# Altium PCB PicoBOB_DLX.pcbdoc (part 1 of 4)
Units mil, origin at the board's own origin, x right, y up, seen from the top; angles counter-clockwise.
Board outline 2219.49 x 2559.06 mil, 4 copper layers (Top Layer, G1_GND, G2_PWR, Bottom Layer), stack 23.756 mil thick; 146 components, 117 nets, 2972 pads, 241 vias.
Unrouted connection lines stored in the file: 14.
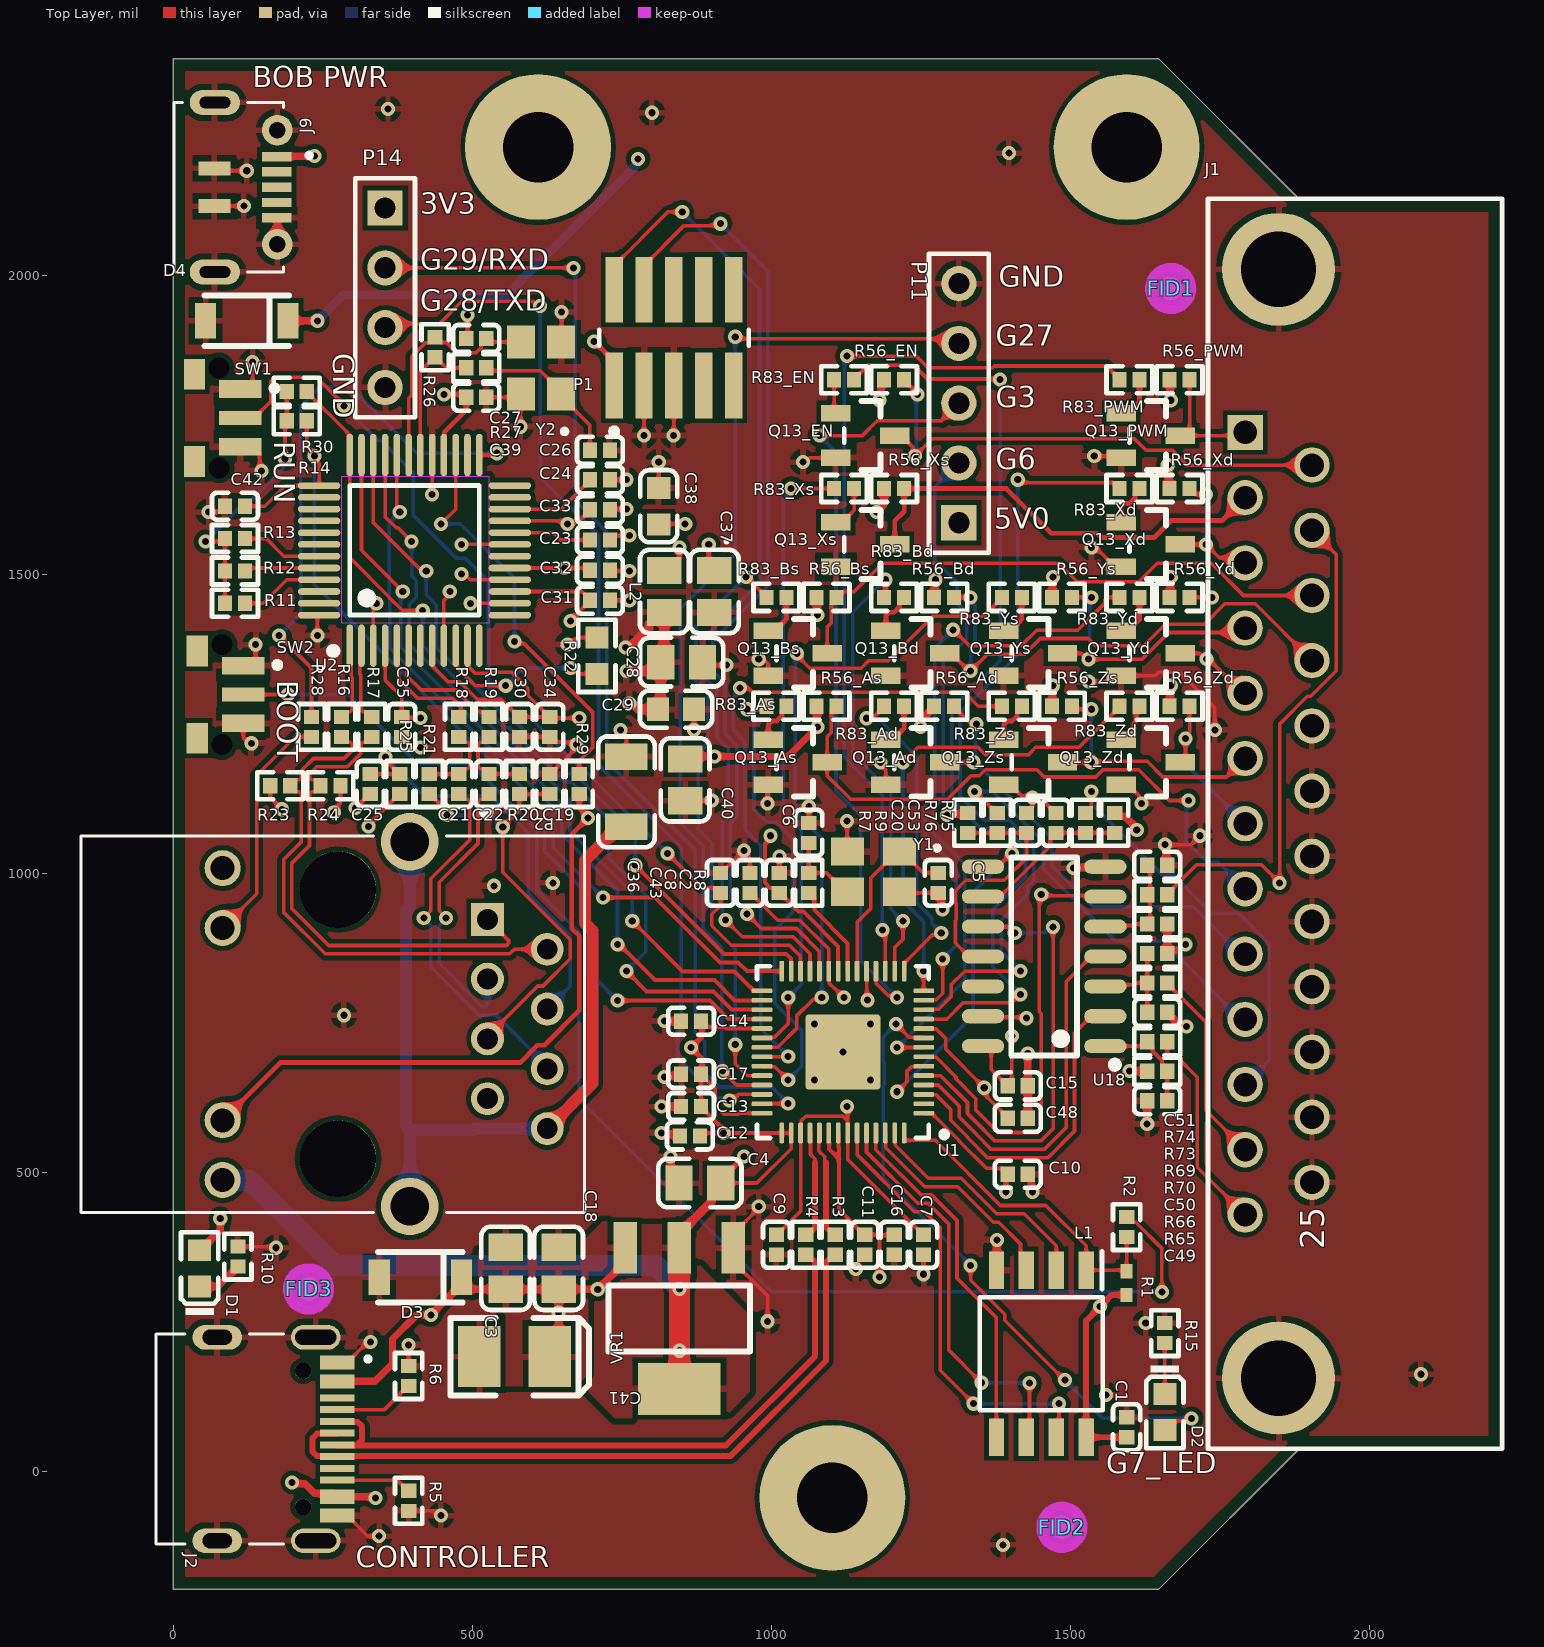
[diagram p0: Top Layer view]
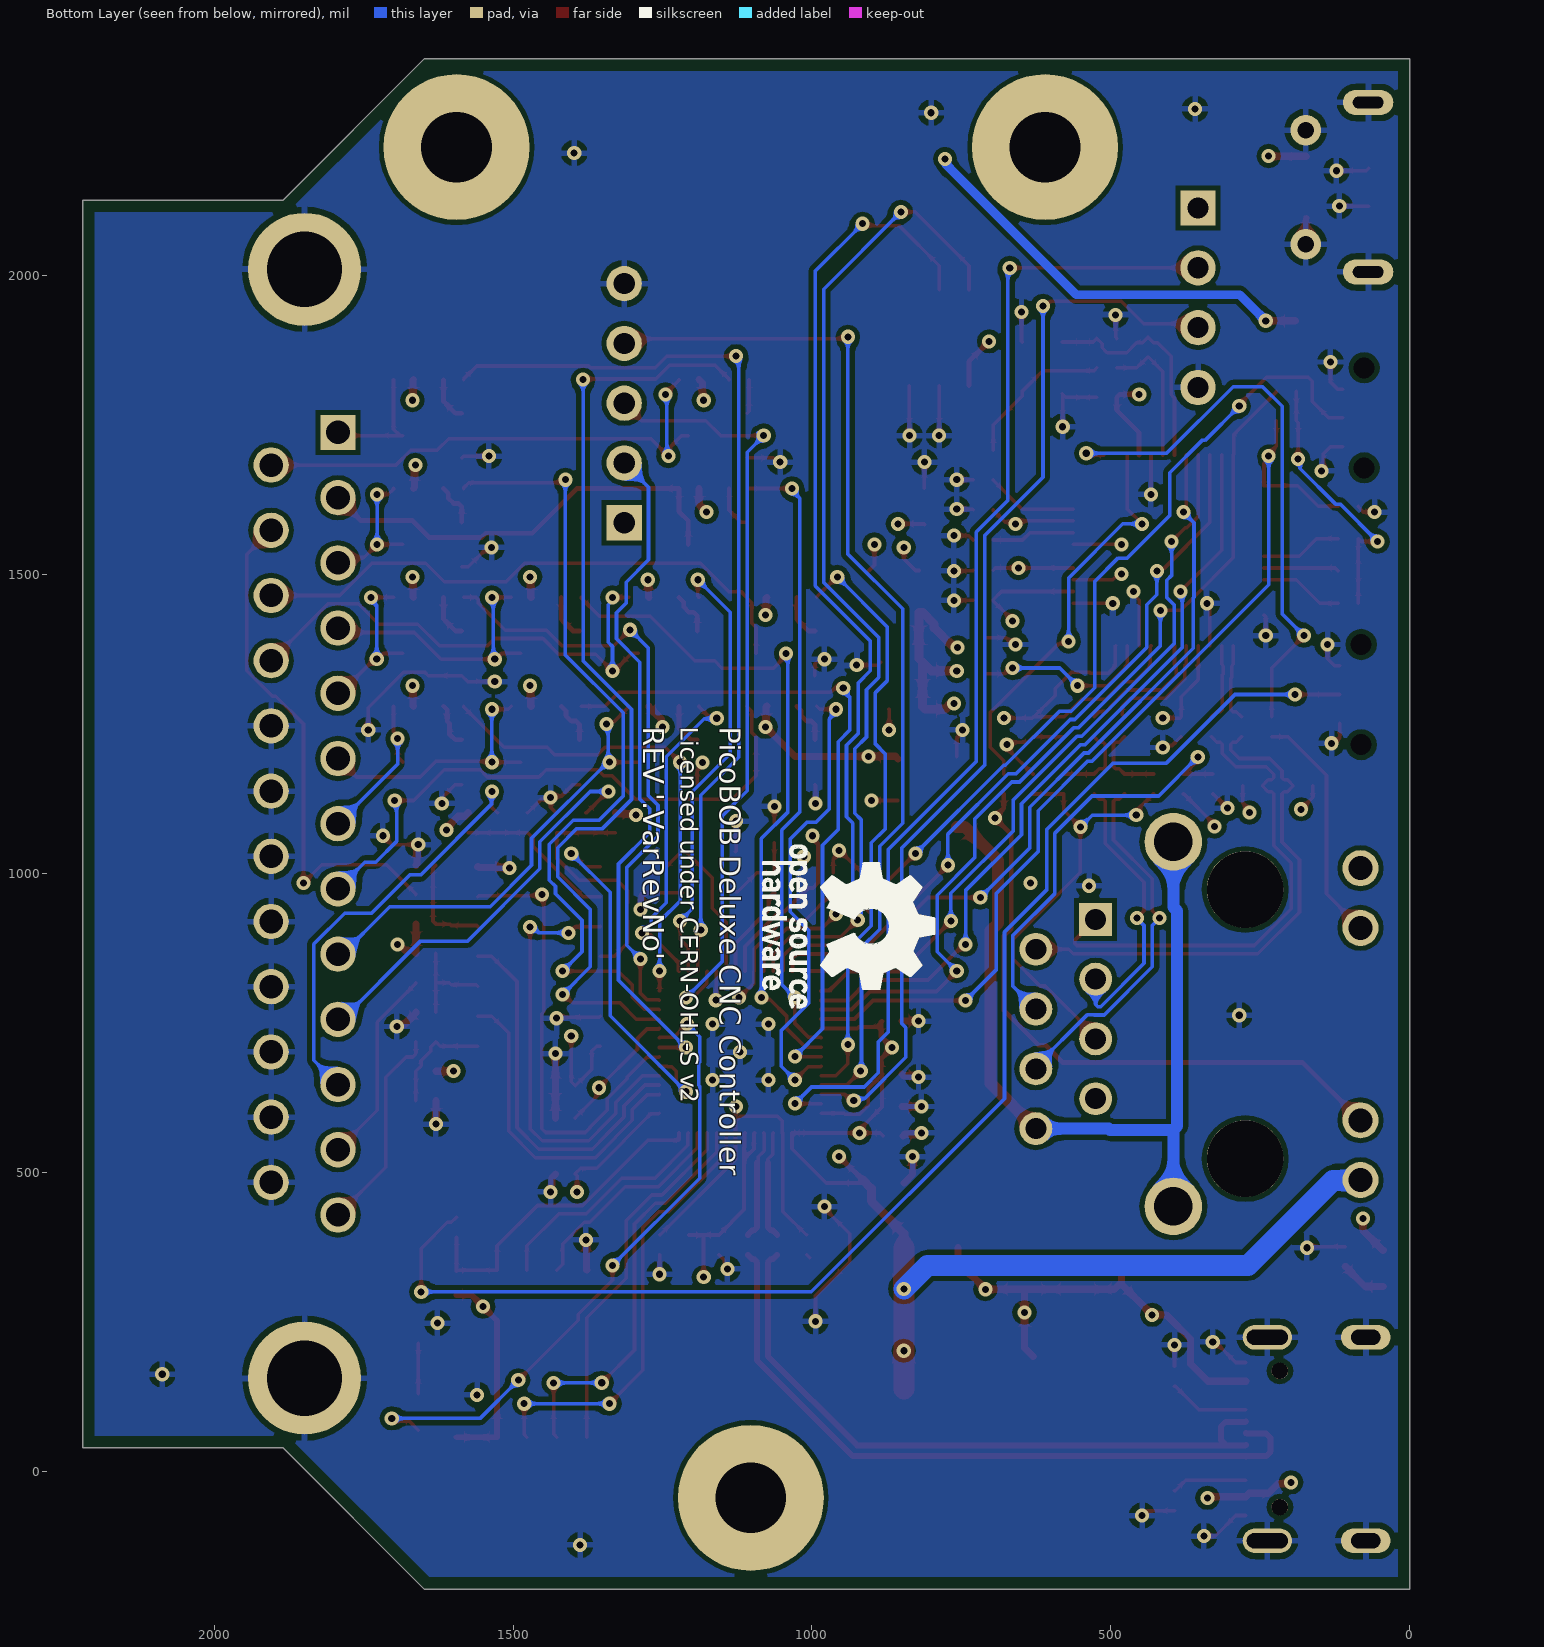
[diagram p1: Bottom Layer view, seen from below]
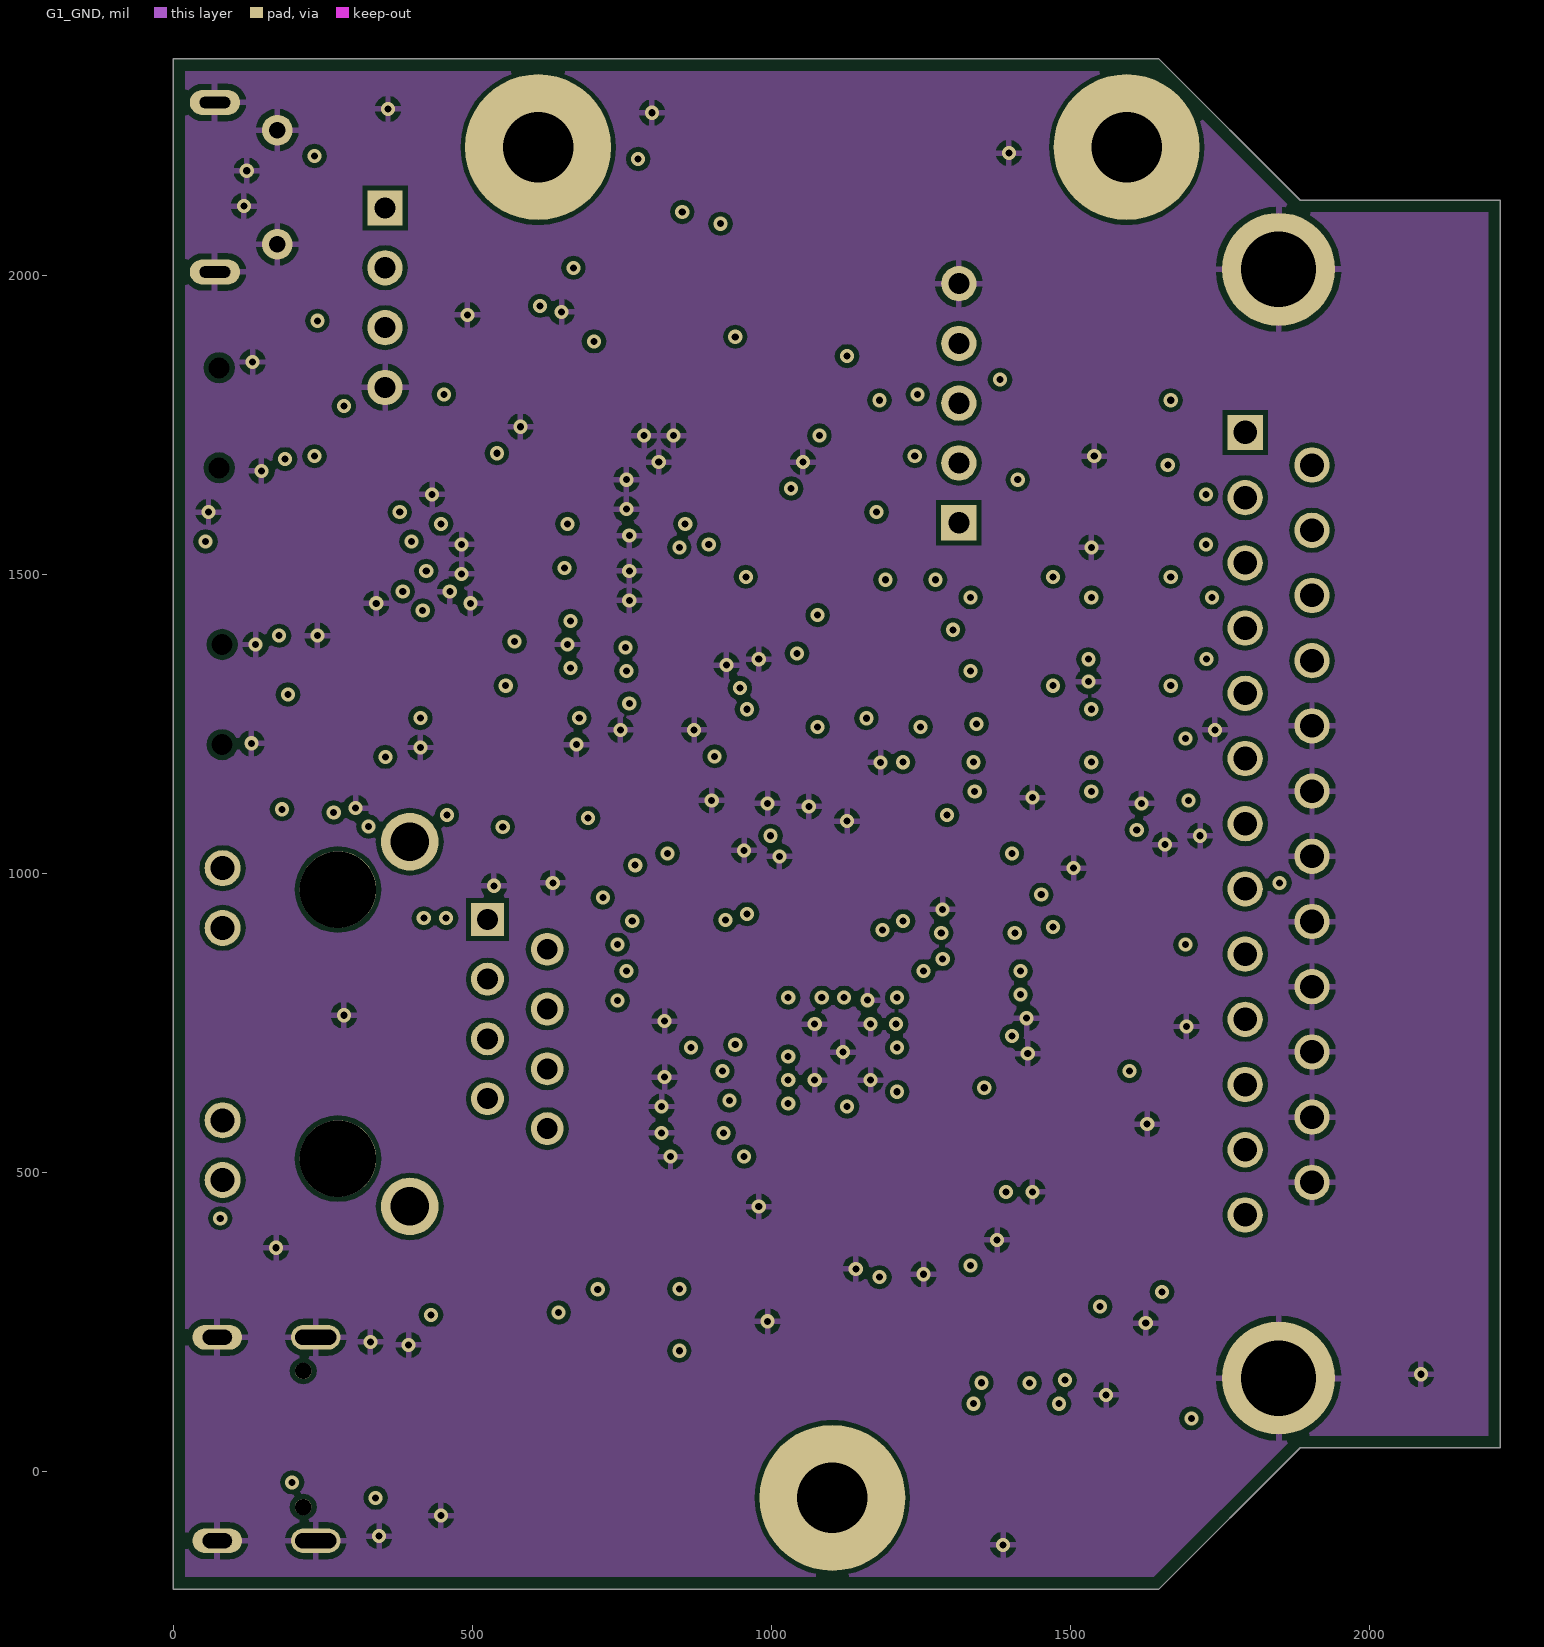
[diagram p2: G1_GND]
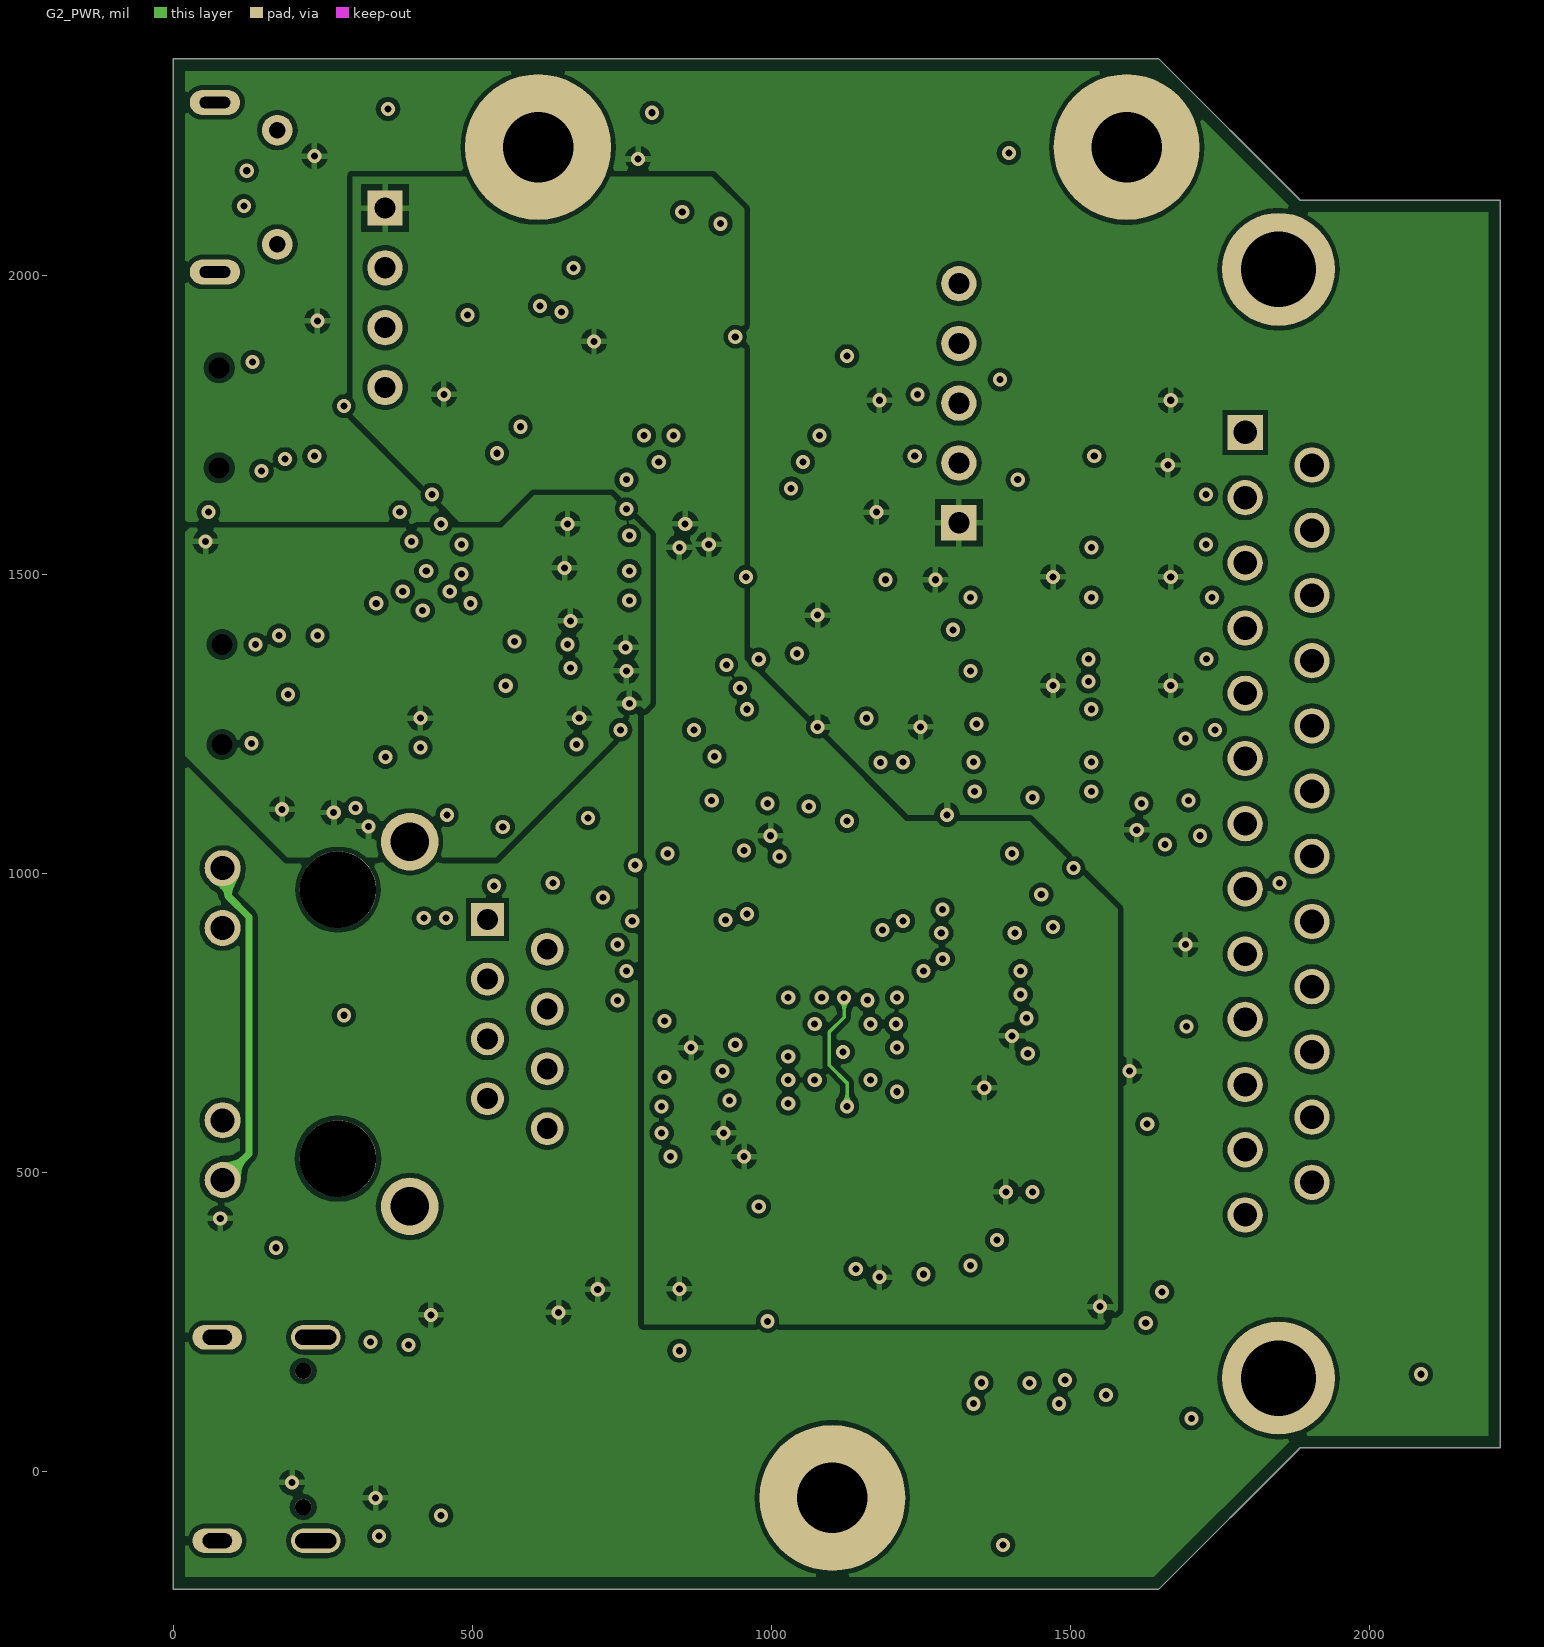
[diagram p3: G2_PWR]

## Layer stack, top to bottom
Top Solder: solder mask 0.4, Solder Resist, Dk 3.5
Top Layer: signal copper 1.4
Dielectric 1: prepreg 2.8, PP-006, Dk 4.1
G1_GND: signal copper 1.378
Dielectric1: dielectric 12.6, FR-4, Dk 4.8
G2_PWR: signal copper 1.378
Dielectric 2: prepreg 2.8, PP-006, Dk 4.1
Bottom Layer: signal copper 1.4
Bottom Solder: solder mask 0.4, Solder Resist, Dk 3.5

## Board outline
0,-196.85 0,2362.2 1648.62,2362.2 1884.84,2125.98 2219.49,2125.98 2219.49,39.37 1884.84,39.37 1648.62,-196.85

## Design rules (kind name [scope] priority, off if disabled: settings)
BoardOutlineClearance [OnLayer('Top Layer')] p1: gap=20 ignorepadtopadclearanceinfootprint=FALSE
BoardOutlineClearance BoardOutlineClearance_3 [OnLayer('G2_PWR')] p2: gap=20 ignorepadtopadclearanceinfootprint=FALSE
BoardOutlineClearance BoardOutlineClearance_2 [OnLayer('G1_GND')] p3: gap=20 ignorepadtopadclearanceinfootprint=FALSE
BoardOutlineClearance BoardOutlineClearance_1 [OnLayer('Bottom Layer')] p4: gap=20 ignorepadtopadclearanceinfootprint=FALSE
Clearance [All] p1: gap=8 ignorepadtopadclearanceinfootprint=TRUE except(0: SMDPad-Hole Fill-Hole Poly-Hole Region-Hole Text-Hole; 7.99: Arc-SMDPad Arc-THPad Arc-Via Track-SMDPad Track-THPad Track-Via; 10: Arc-Text Arc-Hole Track-Text Track-Hole SMDPad-Text THPad-Text Via-Via Via-Text Fill-Fill Fill-Poly Fill-Region Fill-Text Poly-Poly Poly-Region Poly-Text Region-Region Region-Text Text-Text; 12: SMDPad-Via THPad-Via; 19.68: THPad-Hole Via-Hole; 20: SMDPad-SMDPad SMDPad-THPad THPad-THPad)
Clearance "Pad Clearance" [IsPad vs IsPad] p2: gap=10 ignorepadtopadclearanceinfootprint=TRUE except(0: Arc-Hole Track-Hole SMDPad-Hole THPad-Hole Via-Hole Fill-Hole Poly-Hole Region-Hole Text-Hole; 8: Arc-Arc Arc-Track Arc-Fill Arc-Poly Arc-Region Track-Track Track-Fill Track-Poly Track-Region SMDPad-Fill SMDPad-Poly SMDPad-Region THPad-Fill THPad-Poly THPad-Region Via-Fill Via-Poly Via-Region; 12: SMDPad-Via THPad-Via; 20: SMDPad-SMDPad SMDPad-THPad THPad-THPad)
DiffPairsRouting [All] p1: maxlimit=10 minlimit=8 mostfreqgap=8 toplayer_minwidth=6 toplayer_maxwidth=15 toplayer_prefwidth=10 midlayer1_minwidth=6 midlayer1_maxwidth=15 midlayer1_prefwidth=10 midlayer2_minwidth=6 midlayer2_maxwidth=15 midlayer2_prefwidth=10 bottomlayer_minwidth=6 bottomlayer_maxwidth=15 bottomlayer_prefwidth=10 maxuncoupledlength=500
HoleSize [All] p1: absolutevalues=TRUE maxlimit=200 minlimit=1 maxpercent=80.000 minpercent=20.000
MinimumAnnularRing [All] p1: minimumring=5.91
MinimumSolderMaskSliver [All] p1: minsoldermaskwidth=5
PolygonConnect [All] p1: connectstyle=Relief reliefconductorwidth=10 reliefentries=4 polygonreliefangle="90 Angle" airgapwidth=10
RoomDefinition Zs [InComponentClass('Zs')] p1: confinementstyle=ConfineIn formatcopy=TRUE lockcomponents=FALSE outline 1363.19,1131.89 1515.75,1131.89 1515.75,1289.37 1363.19,1289.37
RoomDefinition Zd [InComponentClass('Zd')] p2: confinementstyle=ConfineIn formatcopy=TRUE lockcomponents=FALSE outline 1560.04,1131.89 1712.6,1131.89 1712.6,1289.37 1560.04,1289.37
RoomDefinition Ys [InComponentClass('Ys')] p3: confinementstyle=ConfineIn formatcopy=TRUE lockcomponents=FALSE outline 1363.19,1313.98 1515.75,1313.98 1515.75,1471.46 1363.19,1471.46
RoomDefinition Yd [InComponentClass('Yd')] p4: confinementstyle=ConfineIn formatcopy=TRUE lockcomponents=FALSE outline 1560.04,1313.98 1712.6,1313.98 1712.6,1471.46 1560.04,1471.46
RoomDefinition Xs [InComponentClass('Xs')] p5: confinementstyle=ConfineIn formatcopy=TRUE lockcomponents=FALSE outline 1082.68,1496.06 1235.24,1496.06 1235.24,1653.54 1082.68,1653.54
RoomDefinition Xd [InComponentClass('Xd')] p6: confinementstyle=ConfineIn formatcopy=TRUE lockcomponents=FALSE outline 1560.04,1496.06 1712.6,1496.06 1712.6,1653.54 1560.04,1653.54
RoomDefinition As [InComponentClass('As')] p7: confinementstyle=ConfineIn formatcopy=TRUE lockcomponents=FALSE outline 969.49,1131.89 1122.05,1131.89 1122.05,1289.37 969.49,1289.37
RoomDefinition Ad [InComponentClass('Ad')] p8: confinementstyle=ConfineIn formatcopy=TRUE lockcomponents=FALSE outline 1166.34,1131.89 1318.9,1131.89 1318.9,1289.37 1166.34,1289.37
RoomDefinition Bs [InComponentClass('Bs')] p9: confinementstyle=ConfineIn formatcopy=TRUE lockcomponents=FALSE outline 969.49,1313.98 1122.05,1313.98 1122.05,1471.46 969.49,1471.46
RoomDefinition Bd [InComponentClass('Bd')] p10: confinementstyle=ConfineIn formatcopy=TRUE lockcomponents=FALSE outline 1166.34,1313.98 1318.9,1313.98 1318.9,1471.46 1166.34,1471.46
RoomDefinition PWM [InComponentClass('PWM')] p11: confinementstyle=ConfineIn formatcopy=TRUE lockcomponents=FALSE outline 1560.04,1678.15 1712.6,1678.15 1712.6,1835.63 1560.04,1835.63
RoomDefinition EN [InComponentClass('EN')] p12: confinementstyle=ConfineIn formatcopy=TRUE lockcomponents=FALSE outline 1082.68,1678.15 1235.24,1678.15 1235.24,1835.63 1082.68,1835.63
RoutingVias [All] p1: holewidth=28 width=50 viastyle="Through Hole" minholewidth=28 minwidth=50 maxholewidth=28 maxwidth=50 useviatemplates=TRUE viatemplateguid#1={3D44E373-5FF6-4A48-9E7C-C1F8A7A421D2} viatemplatename#1=v60h30m0mx0